# KiCad board input-output.Multi.kicad_pcb (continued)
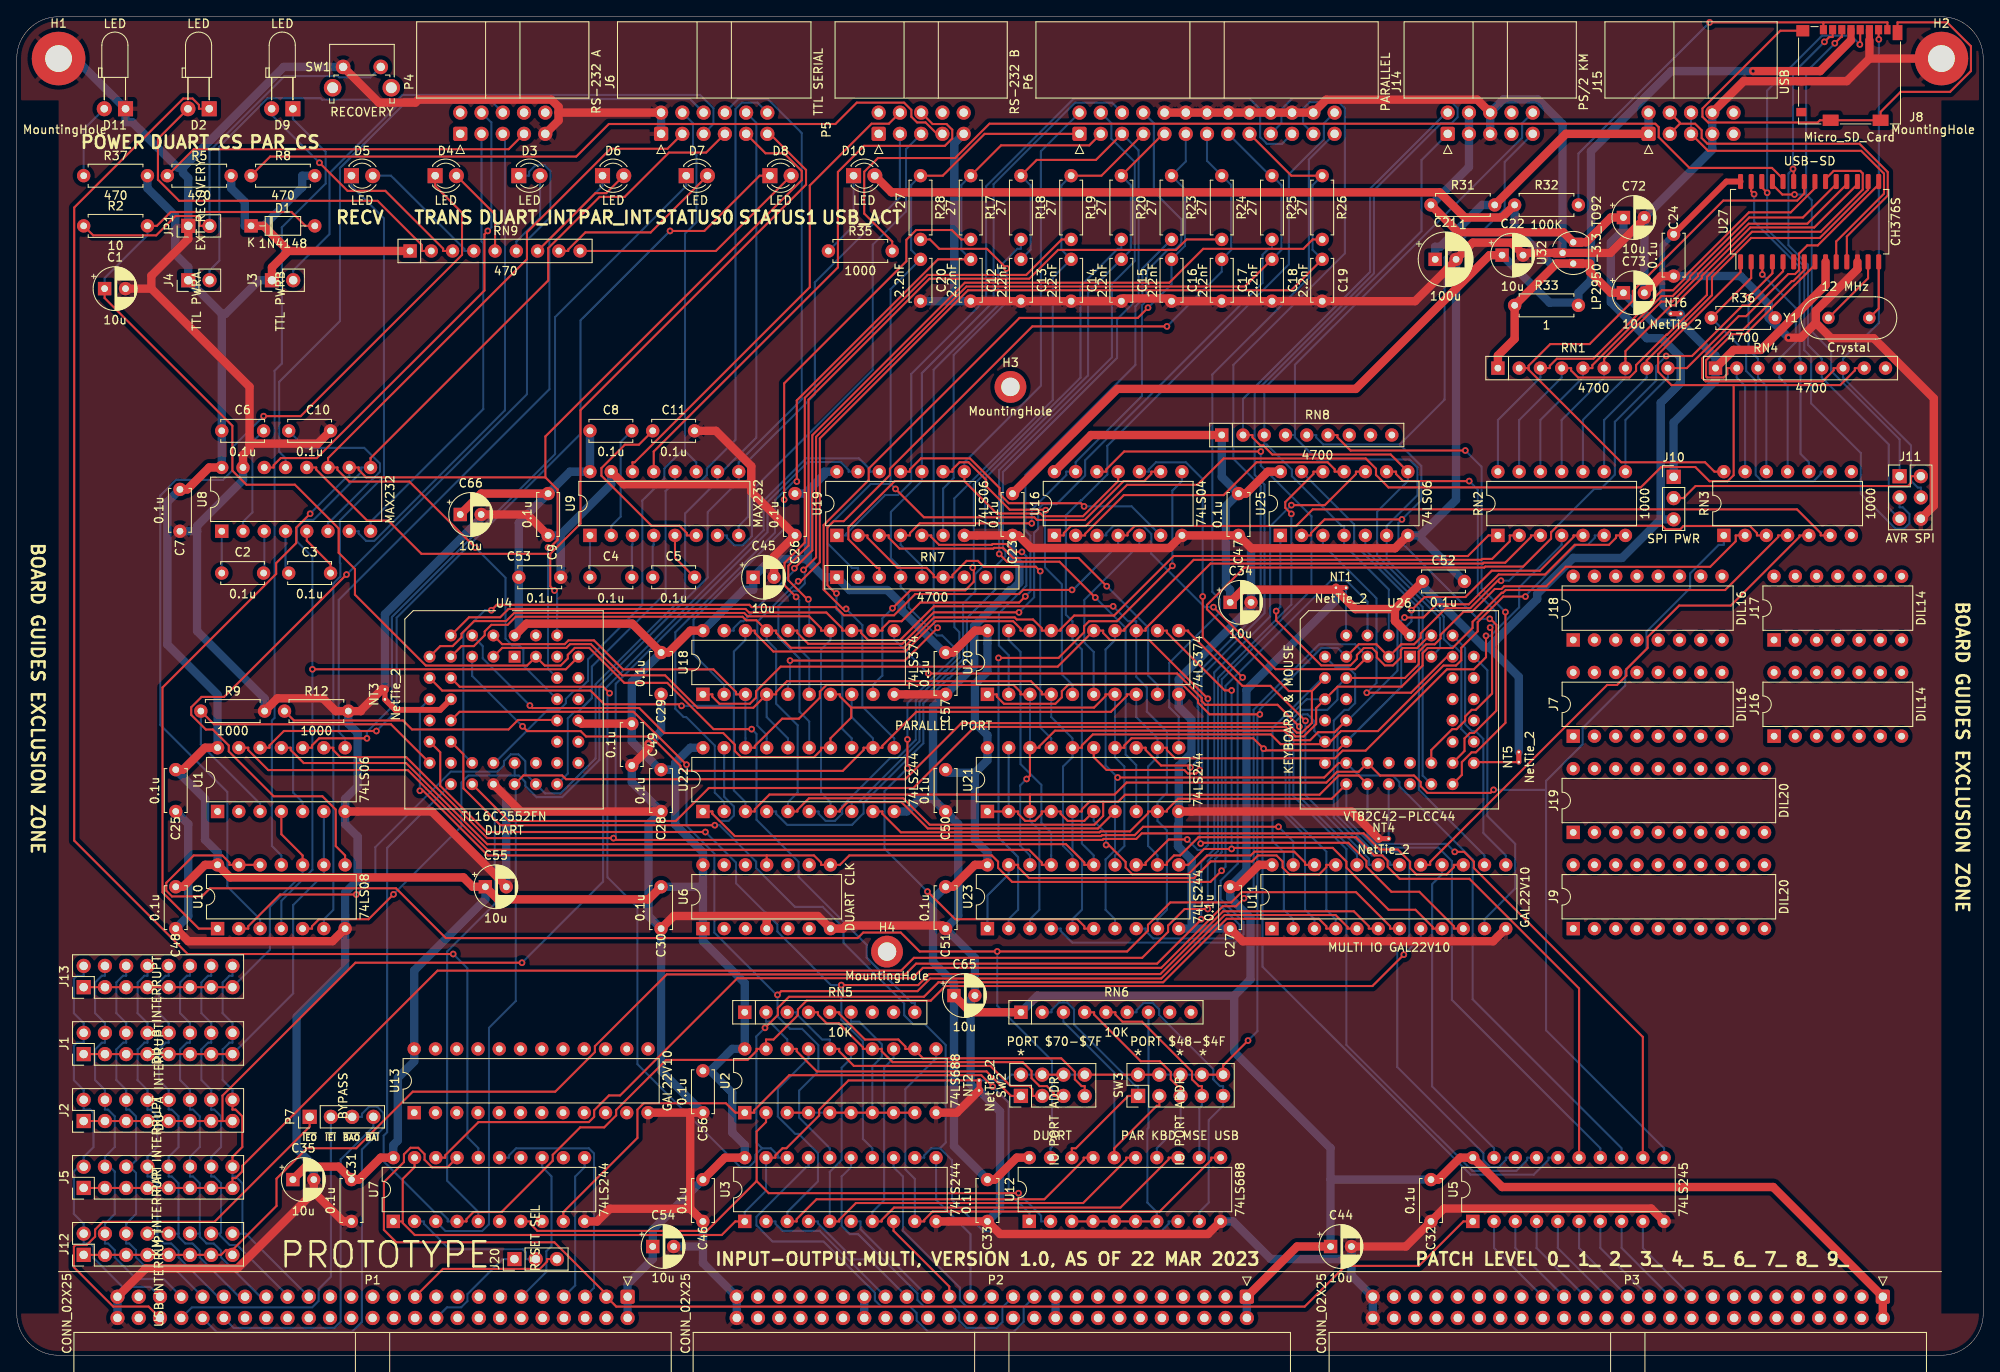
[diagram p0: board, top side]
## Nets (continued)
/DUART/~{RTSB}: P5.4 U9.14
/DUART/~{TTL_CTSA}: J6.11 U4.40 U8.12
/DUART/~{TTL_CTSB}: J6.12 U4.28 U9.12
/DUART/~{TTL_RIA}: C1.1 D1.2 R2.2 RN5.9 U4.43
/DUART/~{TTL_RTSA}: J6.3 U4.36 U8.11
/DUART/~{TTL_RTSB}: J6.4 U4.23 U9.11
/kbdmse/KBDCLK: J14.1 RN8.3 U25.4 U26.2
/kbdmse/KBDDAT: J14.9 RN8.5 U25.2 U26.30
/kbdmse/MSECLK: J14.2 RN8.2 U25.8 U26.43
/kbdmse/MSEDAT: J14.10 RN8.4 U25.6 U26.31
/kbdmse/P12: U26.32
/kbdmse/P13: U26.33
/kbdmse/P14: U26.35
/kbdmse/P15: U26.36
/kbdmse/P16: U26.37
/kbdmse/P17: U26.38
/kbdmse/P20: U26.24
/kbdmse/P21: U26.25
/kbdmse/PROG: RN8.6 U26.28
/kbdmse/~{INT_KM}: J5.1 J5.3 J5.5 J5.7 J5.9 J5.11 J5.13 J5.15 U25.12
/parallel/BUSY: RN7.6 U19.2 U21.17
/parallel/ERROR: P6.4 U21.8
/parallel/P-RESET: P6.6 RN7.4 U19.10 U23.6
/parallel/PAPEROUT: P6.23 U21.13
/parallel/PD0: C12.1 P6.3 R17.1 U22.2
/parallel/PD1: C13.1 P6.5 R18.1 U22.4
/parallel/PD2: C14.1 P6.7 R19.1 U22.6
/parallel/PD3: C15.1 P6.9 R20.1 U22.8
/parallel/PD4: C16.1 P6.11 R23.1 U22.11
/parallel/PD5: C17.1 P6.13 R24.1 U22.13
/parallel/PD6: C18.1 P6.15 R25.1 U22.15
/parallel/PD7: C19.1 P6.17 R26.1 U22.17
/parallel/SELECT: P6.25 U21.11
/parallel/STATUS0: P6.26 U1.11 U20.16 U23.15
/parallel/STATUS1: U1.13 U20.19 U23.17
/parallel/~{BUSY}: P6.21 U19.1
/parallel/~{INT_PAR}: J2.1 J2.3 J2.5 J2.7 J2.9 J2.11 J2.13 J2.15 U19.12
/parallel/~{LINEFEED}: P6.2 RN7.3 U16.11 U19.8
/parallel/~{PDENBL}: U18.1 U20.15 U23.13
/parallel/~{SEL}: P6.8 RN7.5 U16.13 U19.4
/parallel/~{STROBE}: C20.1 P6.1 R28.1 RN7.2 U16.9
/USB-SD/RST: R36.1 RN3.9 U27.2
/USB-SD/SDCK: J8.5 J11.3 U27.26
/USB-SD/SDCS: J8.2 J11.5 RN4.6 U27.23
/USB-SD/SDDI: J8.3 J11.1 U27.25
/USB-SD/SDDO: J8.7 J11.4 RN4.7 U27.7
/USB-SD/UD+: J15.5 J15.6 U27.10
/USB-SD/UD-: J15.3 J15.4 U27.11
/USB-SD/~{INT-USB}: RN4.8 U16.1 U27.1
A0: P2.35 U3.2
A1: P2.33 U3.4
A2: P2.31 U3.6
A3: P2.29 U3.8
A4: P2.27 U3.11
A5: P2.25 U3.13
A6: P2.23 U3.15
A7: P2.21 U3.17
ACK: P6.19 U11.10 U21.15
bA0: RN3.2 U3.18 U4.10 U11.4 U26.10
bA1: U3.16 U4.14 U11.5
bA2: U3.14 U4.15 U11.6
bA3: U3.12 U4.16 U12.8
bA4: U2.11 U3.9 U12.11
bA5: U2.13 U3.7 U12.13
bA6: U2.15 U3.5 U12.15
bA7: U2.17 U3.3 U12.17
bD0: RN2.7 U4.2 U5.18 U18.3 U20.3 U21.18 U22.18 U23.18 U26.14
bD1: RN2.6 U4.3 U5.17 U18.4 U20.4 U21.16 U22.16 U23.16 U26.15
bD2: RN2.5 U4.4 U5.16 U18.7 U20.7 U21.14 U22.14 U23.14 U26.16
bD3: RN2.4 U4.5 U5.15 U18.8 U20.8 U21.12 U22.12 U23.12 U26.17
bD4: RN2.3 U4.6 U5.14 U18.13 U20.13 U21.9 U22.9 U23.9 U26.18
bD5: RN2.2 U4.7 U5.13 U18.14 U20.14 U21.7 U22.7 U23.7 U26.19
bD6: RN2.1 U4.8 U5.12 U18.17 U20.17 U21.5 U22.5 U23.5 U26.20
bD7: RN3.1 U4.9 U5.11 U18.18 U20.18 U21.3 U22.3 U23.3 U26.21
bRESET: RN3.6 U4.21 U16.4
CLK_DUART: U4.11 U6.8 U6.11 U26.4
D0: P3.33 U5.2
D1: P3.31 U5.3
D2: P3.29 U5.4
D3: P3.27 U5.5
D4: P3.25 U5.6
D5: P3.23 U5.7
D6: P3.21 U5.8
D7: P3.19 U5.9
INT_KM: U11.14 U25.13
INT_PAR: U1.9 U11.15 U19.13
ONE: NT1.2 U26.6
P24-OB: U11.11 U26.39
P25-BF: U11.13 U26.40
PARINT: U11.9 U20.12 U23.11
ZERO: NT2.2 SW2.2 SW2.4 SW2.6 SW2.8 SW3.2 SW3.4 SW3.6 SW3.8 SW3.10 U3.1 U3.19 U7.1 U7.19 U20.1 U26.3 U26.8 U27.5
~{BAI}: P1.40 P7.4
~{BAO}: P1.42 P7.3
~{bIORQ}: U2.1 U7.9 U12.1
~{bM1}: U2.2 U7.7 U12.2
~{bRD}: RN3.3 U4.24 U7.3 U11.2 U26.9
~{bRESET}: U7.18 U16.3 U26.5
~{BUS_EN}: U5.19 U11.16
~{bWR}: RN3.4 U4.20 U7.5 U11.3 U26.11
~{CS_DUART}: U2.19 U4.18 U7.4 U11.8
~{CS_KM}: U11.18 U26.7
~{CS_PAR}: U10.12 U10.13 U11.7 U12.19
~{CS_US}: RN3.5 U11.17
~{EIRQ0}: J1.2 J2.2 J5.2 J12.2 J13.2 P1.45
~{EIRQ1}: J1.4 J2.4 J5.4 J12.4 J13.4 P1.43
~{EIRQ2}: J1.6 J2.6 J5.6 J12.6 J13.6 P1.41
~{EIRQ3}: J1.8 J2.8 J5.8 J12.8 J13.8 P1.39
~{EIRQ4}: J1.10 J2.10 J5.10 J12.10 J13.10 P1.37
~{EIRQ5}: J1.12 J2.12 J5.12 J12.12 J13.12 P1.35
~{EIRQ6}: J1.14 J2.14 J5.14 J12.14 J13.14 P1.33
~{EIRQ7}: J1.16 J2.16 J5.16 J12.16 J13.16 P1.31
~{IEI}: P1.44 P7.2
~{IEO}: P1.46 P7.1
~{IORQ}: P1.7 U7.11
~{M1}: P1.11 U7.13
~{PARIN0}: U11.23 U22.1 U22.19
~{PARIN1}: U11.22 U21.1 U21.2 U21.4 U21.6 U21.19
~{PARIN2}: U11.21 U23.1 U23.19
~{PAROUT0}: U11.20 U18.11
~{PAROUT2}: U11.19 U20.11
~{RD}: P1.3 U5.1 U7.17
~{RES_IN}: J20.1 P1.20
~{RES_OUT}: J20.3 P1.21
~{WR}: P1.5 U7.15
Net-(C2-Pad1): C2.1 U8.1
Net-(C2-Pad2): C2.2 U8.3
Net-(C3-Pad1): C3.1 U8.4
Net-(C3-Pad2): C3.2 U8.5
Net-(C4-Pad1): C4.1 U9.1
Net-(C4-Pad2): C4.2 U9.3
Net-(C5-Pad1): C5.1 U9.4
Net-(C5-Pad2): C5.2 U9.5
Net-(C6-Pad2): C6.2 U8.2
Net-(C8-Pad2): C8.2 U9.2
Net-(C10-Pad1): C10.1 U8.6
Net-(C11-Pad1): C11.1 U9.6
Net-(D2-Pad1): D2.1 U7.16
Net-(D3-Pad1): D3.1 U10.8
Net-(D4-Pad1): D4.1 U10.3
Net-(D5-Pad1): D5.1 U10.6
Net-(D6-Pad1): D6.1 U1.8
Net-(D7-Pad1): D7.1 U1.10
Net-(D8-Pad1): D8.1 U1.12
Net-(D9-Pad1): D9.1 U10.11
Net-(D10-Pad1): D10.1 R35.1
Net-(D11-Pad2): D11.2 R37.1
Net-(J3-Pad2): J3.2 J6.6
Net-(J4-Pad2): J4.2 J6.5
Net-(J8-Pad1): J8.1 J8.8 R32.2
Net-(J10-Pad2): J10.2 J11.2
Net-(J12-Pad1): J12.1 J12.3 J12.5 J12.7 J12.9 J12.11 J12.13 J12.15 U25.10
Net-(J20-Pad2): J20.2 U7.2
Net-(JP1-Pad2): JP1.2 R2.1 SW1.2
Net-(R17-Pad2): R17.2 U18.2
Net-(R18-Pad2): R18.2 U18.5
Net-(R19-Pad2): R19.2 U18.6
Net-(R20-Pad2): R20.2 U18.9
Net-(R23-Pad2): R23.2 U18.12
Net-(R24-Pad2): R24.2 U18.15
Net-(R25-Pad2): R25.2 U18.16
Net-(R26-Pad2): R26.2 U18.19
Net-(R28-Pad2): R28.2 U19.6
Net-(R35-Pad2): R35.2 U27.24
Net-(RN1-Pad2): RN1.2 RN3.14 U27.22
Net-(RN1-Pad3): RN1.3 RN2.14 U27.21
Net-(RN1-Pad4): RN1.4 RN2.13 U27.20
Net-(RN1-Pad5): RN1.5 RN2.12 U27.19
Net-(RN1-Pad6): RN1.6 RN2.11 U27.18
Net-(RN1-Pad7): RN1.7 RN2.10 U27.17
Net-(RN1-Pad8): RN1.8 RN2.9 U27.16
Net-(RN1-Pad9): RN1.9 RN2.8 U27.15
Net-(RN3-Pad10): RN3.10 RN4.5 U27.27
Net-(RN3-Pad11): RN3.11 RN4.4 U27.3
Net-(RN3-Pad12): RN3.12 RN4.3 U27.4
Net-(RN3-Pad13): RN3.13 RN4.2 U27.8
Net-(RN5-Pad2): RN5.2 SW2.1 U2.18
Net-(RN5-Pad3): RN5.3 SW2.3 U2.16
Net-(RN5-Pad4): RN5.4 SW2.5 U2.14
Net-(RN5-Pad5): RN5.5 SW2.7 U2.12
Net-(RN5-Pad6): RN5.6 U2.3 U2.4 U2.5 U2.6 U2.7 U2.8 U2.9
Net-(RN6-Pad2): RN6.2 SW3.1 U12.18
Net-(RN6-Pad3): RN6.3 SW3.3 U12.16
Net-(RN6-Pad4): RN6.4 SW3.5 U12.14
Net-(RN6-Pad5): RN6.5 SW3.7 U12.12
Net-(RN6-Pad6): RN6.6 SW3.9 U12.9
Net-(RN6-Pad7): RN6.7 U12.3 U12.4 U12.5 U12.6 U12.7
Net-(U16-Pad2): U16.2 U25.11
Net-(U16-Pad5): U16.5 U20.6
Net-(U16-Pad6): U16.6 U19.11
Net-(U16-Pad8): U16.8 U23.2
Net-(U16-Pad10): U16.10 U23.4
Net-(U16-Pad12): U16.12 U23.8
Net-(U19-Pad3): U19.3 U20.9
Net-(U19-Pad5): U19.5 U20.2
Net-(U19-Pad9): U19.9 U20.5
Net-(U25-Pad1): U25.1 U26.42
Net-(U25-Pad3): U25.3 U26.41
Net-(U25-Pad5): U25.5 U26.26
Net-(U25-Pad9): U25.9 U26.27
Net-(U27-Pad13): U27.13 Y1.1
Net-(U27-Pad14): U27.14 Y1.2

Pads without a net: H3 1; H4 1; J7 1 2 3 4 5 6 7 8 9 10 11 12 13 14 15 16; J8 10 11; J9 1 2 3 4 5 6 7 8 9 10 11 12 13 14 15 16 17 18 19 20; J14 7 8; J15 9 10; J16 1 2 3 4 5 6 7 8 9 10 11 12 13 14; J17 1 2 3 4 5 6 7 8 9 10 11 12 13 14; J18 1 2 3 4 5 6 7 8 9 10 11 12 13 14 15 16; J19 1 2 3 4 5 6 7 8 9 10 11 12 13 14 15 16 17 18 19 20; P4 1 2 8 10; P5 1 2 8 10; RN3 7 8; RN4 9; RN5 7 8; RN6 8 9; RN7 7 8 9; RN8 7 8 9; U1 1 2; U4 1 13 19 27 29 30 31 32 35 37 41 42; U6 2 3 5 6 9 10 12 13; U7 6 8 12 14; U11 1; U13 1 2 3 4 5 6 7 8 9 10 11 13 14 15 16 17 18 19 20 21 22 23; U26 1 12 13 23 34; U27 6

## Via types
v1: diameter 0.8, hole 0.4, Top to Bottom, 125 vias

## Routing (per net, layer and track width the routed paths; a pad name or vN(x,y) marks a point on that pad's centre or on a via; arc(x,y) is an arc through that point)
+12V: length 2.5
  Bottom w1: P2.20 P2.19
-12V: length 2.5
  Bottom w1: P2.38 P2.37
/DUART/GND_UART: length 8.9
  Top w0.7: U4.12 50.61,77.15 45.25,77.15 NT3.1
/USB-SD/VBUS: length 35.1
  Top w1: R31.2 185.12,146 J15.1
  Bottom w1: R31.2 175.12,137.5 170.12,132.5 169.5,132.5 C21.1 ; J15.2 J15.1
/USB-SD/VDD2: length 21.1
  Top w0.7: C24.1 204.3,140.3 U27.28
  Bottom w0.7: NT6.1 196.64,125.51 196.64,132.64 C24.1
/USB-SD/VDD3: length 138.6
  Top w0.85: 219.19,157.2 J8.4
  Top w1: C22.1 176,131.5 160.01,115.51 131.51,115.51 C23.1 ; 219.19,157.2 215.5,153.5 v1(207.49,153.5)
  Bottom w1: v1(207.49,153.5) 197.71,153.5 188.12,143.91 188.12,128.5 186.62,127 186.62,125.83 ; 186.62,125.83 183.17,125.83 C22.1 ; 186.62,125.83 R33.2
GND: length 1372.9
  Top w0.85: 221.39,157.2 J8.6
  Top w1: U19.7 C23.2 119.7,98 121.2,96.5 137.74,96.5 U16.7 C47.2 147.53,96.47 164.71,96.47 U25.7 ; J15.8 206.38,152.3 J8.9 218.69,152.3 221.39,155 ; 35.5,19.51 39.01,16 C31.2 ; 35.5,19.51 26.38,10.39 15.43,10.39 P1.49 ; 35.5,19.51 C35.2 ; v1(75.49,73.09) 75.49,72.49 C49.2 ; 16.09,127.5 27.82,115.77 27.82,108.97 ; 16.09,127.5 16.09,129.04 20.5,133.45 JP1.1 ; 16.09,127.5 C1.2 ; C51.2 110.63,51.37 99.12,51.37 98.74,51 U6.7 95.74,52.5 89.62,52.5 ; U5.10 195.32,17.54 170.54,17.54 C32.2 166,13 C44.2 ; U2.10 112.35,29 NT2.1 ; 80.48,29 80.48,17.52 ; 80.48,29 C56.2 ; 80.48,29 U13.12 ; 80.48,17.52 C46.2 ; 80.48,17.52 70.88,17.52 69.36,16 U7.10 ; 180,131.62 180.15,131.77 U32.2 190.43,131.77 194.5,135.84 C72.2 ; 180,131.62 178.62,133 174,133 C21.2 172,130.9 167.1,126 C19.2 C18.2 C17.2 C16.2 137.68,126.32 132.32,126.32 C15.2 C14.2 C13.2 C12.2 ; 180,131.62 C22.2 ; C10.2 35.97,108.97 27.82,108.97 ; v1(211.73,121.64) 213.22,121.64 215,123.41 ; U12.10 142.36,14.5 117.5,14.5 C33.2 U3.10 ; C48.2 20.5,49.5 37.74,49.5 U10.7 ; U6.4 89.62,52.5 ; 89.62,52.5 78.5,52.5 C30.2 ; C24.2 196.5,129 C73.2 ; U21.10 159.5,65 NT4.1 ; NT3.2 43.64,79.6 41.12,77.08 41.12,77 R12.2 38.12,77 36.59,78.53 31.15,78.53 R9.2 ; 87.78,104.11 87.78,106.27 83.55,110.5 C11.2 ; 87.78,104.11 87.78,103.22 C26.2 90.5,95.5 C45.2 ; 87.78,104.11 72.55,104.11 U9.15 ; 215,123.41 216.83,121.57 221.9,121.57 229.09,114.38 229.09,101.55 J11.6 ; 215,123.41 215,124.84 219.97,129.81 U27.12 ; U1.7 49.59,65 58.5,56.09 C55.2 ; 27.82,108.97 27.82,108.4 27.04,107.62 U8.15 ; U18.10 C57.2 ; 221.39,155 H2.1 ; 221.39,155 221.39,157.2 ; P4.9 64.75,147.59 64.75,148.54 ; SW1.1 43.26,149.74 47.65,149.74 48,150.09 63.88,150.09 64.75,149.22 64.75,148.54 ; 64.75,148.54 J6.2 ; C28.2 60.22,65 U4.22 ; C27.2 146.51,49.49 176.43,49.49 U11.12 ; J14.6 174.53,150.09 156.49,150.09 P6.24 P6.22 P6.20 P6.18 P6.16 P6.14 P6.12 P6.10 ; C66.2 61,100.5 C9.2
  Bottom w1: U4.22 58.5,66.72 C55.2 ; J14.5 J14.6 177.66,150.12 181.77,150.12 184.73,147.16 U32.2 ; 21.55,98.5 21.55,99.13 27.04,104.62 U8.15 ; 21.55,98.5 C7.2 ; 21.55,98.5 21.55,86.57 29.62,78.5 R9.2 ; SW1.1 31.9,154 19.86,141.97 ; 159.5,11.5 159.5,9.54 P3.49 P3.50 ; 159.5,11.5 C44.2 ; 159.5,11.5 149.86,11.5 145.36,16 U12.10 ; U25.7 167.74,98 ; 167.74,98 167.74,97.76 C52.2 ; 167.74,98 172,102.26 C21.2 ; C25.2 20.5,63.5 20.5,52.5 C48.2 ; C56.2 77,34 C30.2 75.5,52.5 75.5,63.5 C28.2 73.5,68.5 C49.2 ; C54.2 82,13 ; 82,13 C46.2 ; 82,13 82,11.04 P2.49 P2.50 ; C53.2 65,97.92 64.92,98 ; 19.86,141.97 19.86,141.34 20.5,140.7 JP1.1 ; 19.86,141.97 19.23,141.97 13.8,147.4 13,147.4 D11.1 7,155 H1.1 ; 140.4,51 U23.10 ; 140.4,51 140.4,59.2 138.77,60.83 138.77,63.41 138.86,63.5 U21.10 138.86,70.46 140.37,71.98 140.37,75.99 138.86,77.5 U20.10 138.86,80.81 147.5,89.45 C34.2 147.5,96.5 C47.2 ; 140.4,51 C27.2 ; 109.5,66.5 107.86,66.5 106.36,65 U22.10 ; 109.5,66.5 C50.2 112.51,63.49 112.51,52.51 C51.2 114.5,47.5 C65.2 113.99,42.49 113.99,32.39 114.73,31.65 NT2.1 117.5,29.15 117.5,17.5 C33.2 ; 109.5,66.5 109.5,77.5 C57.2 114.42,82.42 114.42,87.18 118.68,91.44 118.91,91.44 119.82,92.36 119.82,94.62 119,95.44 C23.2 ; C12.2 112.04,126 ; 112.04,126 C20.2 ; 112.04,126 112.04,144.88 P5.9 ; 64.92,98 C9.2 ; 64.92,98 71.04,104.12 U9.15 ; P1.50 P1.49 ; 209.37,124 v1(211.73,121.64) ; 209.37,124 209.37,125.63 206,129 C24.2 ; 209.37,124 R36.2 ; J6.2 J6.1 ; C73.2 C72.2 202.62,144.12 J15.7 J15.8 ; C66.2 55.5,100.07 44,88.57 NT3.2 ; v1(75.49,73.09) 77,74.6 C29.2 ; R12.2 39.62,75.5 40.74,74.38 40.74,68 39.24,66.5 U1.7 39.24,63.5 40.74,62 40.74,56.8 39.24,55.3 U10.7 39.24,46.24 33.45,40.45 33.45,24.71 35.5,22.66 C35.2
VCC: length 1026.6
  Top w1: C51.1 111.88,56 114.5,58.62 U23.20 ; U8.16 23,106.12 20.38,103.5 C7.1 ; 157.65,91.51 159.97,89.19 164.69,89.19 ; 157.65,91.51 146.51,91.51 C34.1 ; 157.65,91.51 NT1.1 ; U25.14 149.5,105.62 146.88,103 C47.1 ; 32.47,132.03 29.5,135 D1.1 ; 32.47,132.03 30.5,130.05 J3.1 ; 32.47,132.03 32.5,132 RN9.1 ; C66.1 55.5,103 C9.1 ; 164.69,89.19 164.69,87.78 166.43,86.04 U26.44 ; 164.69,89.19 C52.1 ; C72.1 190.5,136 187.54,133.04 U32.3 184.81,134.23 172.27,134.23 R31.1 ; C57.1 111.88,84 114.5,86.62 U20.20 ; U3.20 84.62,23.62 C46.1 ; U11.24 148.46,58.62 145.84,56 C27.1 ; U16.14 128.38,110 RN8.1 ; C25.1 19.88,70 22.5,72.62 U1.14 ; C35.1 34.55,22.55 38.45,22.55 C31.1 40.88,21 43.5,23.62 U7.20 ; C44.1 153,13 P2.1 ; U4.44 60.91,87.45 73.55,87.45 C29.1 77.88,84 80.5,86.62 U18.20 ; C49.1 67.5,75.5 U4.33 ; U12.20 119.5,23.62 116.88,21 C33.1 ; C30.1 75.5,54.5 57.5,54.5 C55.1 54.5,56 53.38,57.12 25.5,57.12 U10.14 22.5,58.62 19.88,56 C48.1 ; C32.1 169.88,21 172.5,23.62 U5.20 177.51,20.11 209.89,20.11 P3.1 P3.2 ; C65.1 114,41 RN6.1
  Bottom w1: NT5.2 179.5,81.09 175.95,84.63 ; U22.20 80.5,72.62 78.69,70.81 78.69,70 ; P1.2 P1.1 73,8.5 76,11.5 C54.1 76,15 C46.1 ; C7.1 18,102 18,84.96 24,78.96 U1.14 ; U3.20 87,25.12 85.5,26.62 85.5,31.38 82.88,34 ; 82.88,34 85.5,36.62 U2.20 RN5.1 87,44.5 82,49.5 U6.1 82,56 ; 82.88,34 C56.1 ; C50.1 111.38,69.62 114.5,69.62 ; 94.22,103 C26.1 ; 94.22,103 94.55,102.67 94.55,95.4 94.33,95.17 ; 94.22,103 96.5,105.28 96.5,105.62 U19.14 ; C34.1 145,91.5 144.5,92 144.5,101.5 C47.1 144,105 RN8.1 ; 196.45,99.92 196.45,113.84 198.84,116.23 198.84,119.29 196.56,121.57 194.8,121.57 190.5,125.87 190.5,133 192,134.5 C72.1 ; 196.45,99.92 J10.3 ; 196.45,99.92 191.84,95.31 186,95.31 181.69,91 181.69,90.38 175.95,84.63 ; 82,56 C30.1 ; 82,56 U6.14 82,60.12 78.69,63.43 78.69,70 ; U7.20 45,25.12 45.54,25.66 45.54,33.16 47.5,35.12 U13.24 47.5,46 56,54.5 C55.1 ; 157,21 C44.1 ; 157,21 157,24.75 145.49,36.26 145.49,42.99 ; 157,21 C32.1 ; J14.4 J14.3 173.54,142.04 R31.1 ; U8.16 C6.1 24.5,124.5 ; C51.1 109.5,54.5 109.5,47 112,44.5 C65.1 112,25 C33.1 ; 114.5,69.62 114.5,61.62 116,60.12 U23.20 ; 114.5,69.62 116,71.12 U21.20 116,74.12 114.5,75.62 114.5,80.23 116,81.74 U20.20 ; RN6.1 121.99,42.99 145.49,42.99 ; 94.33,95.17 96.5,93 RN7.1 99.53,91.47 104.04,91.47 105.75,89.75 105.75,89.06 110.81,84 C57.1 ; 94.33,95.17 90.17,95.17 C45.1 88,91.5 86.88,91.5 U18.20 ; 24.5,124.5 24.95,124.5 28.95,128.5 J3.1 ; 24.5,124.5 J4.1 20.5,130.05 18.95,131.6 18.95,136.17 15.62,139.5 R37.2 ; 145.49,42.99 147.43,44.93 147.43,52.27 145,54.7 C27.1 146.94,57.94 146.94,79.53 157.65,90.24 NT1.1 ; 78.69,70 C28.1 76.88,70 73.5,73.38 C49.1 73.5,80.5 C29.1 ; C8.1 U9.16 66.12,105.62 C9.1 60,99.5 C53.1 60,86.54 U4.44 ; C25.1 22.5,66.5 22.5,61.62 24,60.12 U10.14 ; C52.1 168,91.98 175.35,84.63 175.95,84.63 ; R8.2 34.12,141 34.12,139.62 29.5,135 D1.1 27.25,135 27.25,137.87 25.62,139.5 R5.2 ; P2.2 P2.1
VDD: length 5.4
  Top w0.25: U26.29 174.22,70.9 NT5.1
VDD1: length 167.9
  Top w1: RN1.1 177,119.5 179,121.5 R33.1 184,130.5 U32.1 188,130.5 188,129.5 190.5,127 C73.1 ; D10.2 104.53,139.01 170.03,139.01 173.04,136 177.5,136 R32.1 ; RN4.1 205.17,120.17 208.41,120.17 216.16,127.91 U27.9
  Bottom w1: 198.85,123.44 195.56,123.44 C73.1 ; 198.85,123.44 NT6.2 ; 198.85,123.44 202.79,119.5 203,119.5 RN4.1 203,116.5 198,111.5 J10.1 ; R32.1 179,134.79 183.29,130.5 U32.1
VSS: length 6.5
  Bottom w0.25: NT4.2 163.95,68.25 U26.22
470A: length 46.6
  Top w0.25: RN9.2 48.41,132 48.41,132.7 43.12,137.99 19.41,137.99 16.87,140.53 16.87,145.41 D2.2
470B: length 29.3
  Top w0.25: RN9.3 50.95,132 50.95,132.28 44.05,139.19 39.53,139.19 v1(36.17,142.55)
  Bottom w0.25: v1(36.17,142.55) 30.46,148.26 D9.2
470C: length 15.9
  Bottom w0.25: D5.2 44.72,141 53.49,132.23 53.49,132 RN9.4
470D: length 10.9
  Top w0.25: D4.2 57.16,136.38 RN9.5
470E: length 10.2
  Bottom w0.25: RN9.6 59.7,133.13 62.54,135.97 D3.2
470F: length 14
  Top w0.25: D6.2 70.45,138.91 69.15,138.91 RN9.7
470G: length 21.6
  Top w0.25: RN9.8 65.91,132 65.91,132.18 67.95,134.22 75.76,134.22 D7.2
470H: length 28.9
  Top w0.25: D8.2 83.54,132 RN9.9
/DUART/INTA: length 46.9
  Top w0.25: U4.34 64.52,75.94 59.9,75.94 58.77,74.81 47.23,74.81 46.17,75.87 33.13,75.87 R12.1
  Bottom w0.25: R12.1 33.03,75.97 33.03,67.25 34.16,66.13 U1.5
/DUART/INTB: length 45
  Top w0.25: U4.17 44.72,75.42 23.58,75.42 R9.1
  Bottom w0.25: U1.3 29.08,66.13 28.88,66.13 22,73 R9.1
/DUART/RXA: length 53.2
  Bottom w0.25: U8.8 42.28,99.63 55.75,113.09 55.75,132.94 55.54,133.15 P4.3
/DUART/RXB: length 56
  Bottom w0.25: U9.8 86.28,99.13 87.41,100.25 87.41,106.91 95.37,114.88 95.37,128.25 105.54,138.42 P5.3
/DUART/TTL_RXA: length 156.5
  Top w0.25: v1(35.34,82) 65.62,82 U4.39 ; U8.9 42.28,107.25 63.51,128.48 63.51,132.33 69.64,138.46 72.64,138.46 77.94,143.77 82.39,143.77 J6.7
  Bottom w0.25: U10.4 31.62,54.32 35.34,58.03 v1(35.34,82) 35.34,95.43 33.5,97.27 33.5,98.94 34.42,99.86 35.46,99.86 41.15,105.56 41.15,106.12 U8.9
/DUART/TTL_RXB: length 147.5
  Top w0.25: v1(45.02,55.09) 42.05,52.13 36.13,52.13 35.29,51.28 35.29,51 U10.5
  Bottom w0.25: 59.5,69.31 U4.25 ; 59.5,69.31 53.98,69.31 53.14,68.47 53.14,63.21 v1(45.02,55.09) ; 59.5,69.31 59.99,69.31 60.77,68.53 60.77,68.06 62.12,66.71 65.18,66.71 69.62,71.16 69.62,80.01 82.58,92.97 82.58,100.79 86.28,104.49 U9.9 86.28,106.75 93.81,114.28 93.81,146.09 89.72,150.18 86.26,150.18 J6.8
/DUART/TTL_TXA: length 176.1
  Top w0.25: 63.18,104.94 63.18,109.84 93.8,140.46 93.8,141.56 91.69,143.68 89.48,143.68 J6.9 ; 63.18,104.94 64.63,103.49 64.63,97.46 63.73,96.56 v1(63.49,96.56) ; 63.18,104.94 41.76,104.94 40.87,105.84 40.87,106.12 U8.10 ; v1(35.06,100.59) 33.39,98.92 33.39,97.08 31,94.69 31,93.4 17.42,79.82 17.42,55.34 21.76,51 U10.1
  Bottom w0.25: v1(35.06,100.59) 39.46,104.99 39.74,104.99 U8.10 ; U4.38 63.49,82.05 v1(63.49,96.56)
/DUART/TTL_TXB: length 144.4
  Top w0.25: U10.2 27.67,51 27.67,51.28 31.46,55.08 v1(40.58,55.08)
  Bottom w0.25: J6.10 88.37,147.33 88.37,109.69 83.74,105.06 ; U9.10 83.74,105.06 ; 83.74,105.06 83.74,104.49 79.87,100.63 79.87,90.9 69.17,80.2 69.17,71.34 65,67.17 63.13,67.17 U4.26 60.77,69.53 60.77,71.02 59.95,71.84 59.04,71.84 58.23,71.02 58.23,70.55 57.44,69.76 51.88,69.76 42.85,60.74 42.85,57.35 v1(40.58,55.08)
/DUART/TXA: length 58.9
  Bottom w0.25: P4.5 58.34,145.74 58.34,112.96 42.72,97.34 41.74,97.34 40.87,98.22 40.87,98.5 U8.7
/DUART/TXB: length 61.7
  Bottom w0.25: P5.5 106.27,144.19 106.27,136.72 102.29,132.74 102.29,117.79 87.86,103.35 87.86,97.92 86.76,96.83 85.76,96.83 84.87,97.72 84.87,98 U9.7
/DUART/~{CTSA}: length 62.3
  Bottom w0.25: P4.6 56.9,149.72 46.43,149.72 38.62,141.91 38.62,123.62 31.37,116.36 31.37,108 32.12,107.25 U8.13
/DUART/~{CTSB}: length 65.9
  Top w0.25: P5.6 109.44,147.18 111.11,147.18 111.8,146.49 111.8,145.45 110.91,144.56 101.25,144.56 98.13,141.45 98.13,130.03 76.12,108.02 U9.13
/DUART/~{DTRA}: length 44.7
  Top w0.25: P4.7 58.78,144.16 21.16,144.16 R5.1
/DUART/~{DTRB}: length 88.3
  Top w0.25: R8.1 30.29,143.29 66.86,143.29 70.75,147.18 97.83,147.18 100.39,149.73 106.04,149.73 106.9,148.86 106.9,148.05 107.59,147.36 108.6,147.36 109.97,146 P5.7
/DUART/~{INTA}: length 51.3
  Top w0.25: J1.15 J1.13 J1.11 J1.9 J1.7 J1.5 J1.3 J1.1
  Bottom w0.25: U1.6 U10.9 36.7,57.49 33.03,53.83 33.03,43.25 J1.15
/DUART/~{INTB}: length 43.3
  Top w0.25: J13.15 J13.13 J13.11 J13.9 J13.7 J13.5 J13.3 J13.1 ; U10.10 34.16,59.75 31.62,62.29 U1.4
  Bottom w0.25: J13.15 30.25,48.47 30.25,53.59 34.16,57.49 U10.10
/DUART/~{RTSA}: length 57.3
  Top w0.25: v1(56.29,134.4) 55.89,134 55.89,127.28 35.86,107.25 31.55,107.25 30.71,106.4 30.71,106.12 U8.14
  Bottom w0.25: P4.4 56.72,147.36 56.72,134.83 v1(56.29,134.4)
/DUART/~{RTSB}: length 57.5
  Top w0.25: P5.4 104.21,147.21 102.15,147.21 94.77,139.83 94.77,127.68 73.84,106.75 73.58,106.75 U9.14
/DUART/~{TTL_CTSA}: length 108.6
  Top w0.25: J6.11 90.01,146 94.32,141.69 94.32,139.93 67.37,112.97 67.37,99.41 63.76,95.8 ; U8.12 35.79,106.12 35.79,105.87 41.88,99.77 44.39,99.77 48.37,95.8 63.76,95.8 ; 63.76,95.8 63.76,91.92 v1(64.26,91.41)
  Bottom w0.25: U4.40 64.58,91.09 v1(64.26,91.41)
/DUART/~{TTL_CTSB}: length 97.4
  Bottom w0.25: J6.12 88.51,149.73 86.65,149.73 85.89,148.97 85.89,109.42 82.47,106 82.47,105.22 81.68,104.44 78.66,104.44 ; U4.28 65.85,69.53 65.85,76.14 66.63,76.92 67.09,76.92 68.72,78.54 68.72,82.31 77.53,91.13 77.53,103.31 78.66,104.44 ; 78.66,104.44 U9.12
/DUART/~{TTL_RIA}: length 182.4
  Top w0.25: v1(87.82,74.85) 83.27,74.85 77.74,80.37 72.6,80.37 68.42,84.55 66.68,84.55 65.85,83.72 65.85,83.29 65,82.45 63.09,82.45 U4.43 60.99,82.45 48.88,82.45 40.41,90.91 40.41,93.98 38.47,95.92 38.47,98.83 33.24,104.06 27.45,104.06 25.77,105.74 25.77,111.1 10.5,126.37 C1.1 ; D1.2 34.49,135 32.83,136.66 18.41,136.66 16.75,135 R2.2
  Bottom w0.25: RN5.9 107.32,42.13 106.97,42.13 101.57,47.52 101.57,49.06 93.43,57.2 93.43,58.99 88.4,64.01 88.4,74.26 v1(87.82,74.85) ; R2.2 15.62,133.87 10.5,128.75 C1.1
/DUART/~{TTL_RTSA}: length 105.8
  Top w0.25: J6.3 77.76,144.22 70.96,144.22 60.97,134.23 60.97,131.02 37.2,107.25 U8.11 38.33,106.12 38.33,105.84 39.73,104.44 46.91,104.44 v1(54.8,96.55)
  Bottom w0.25: v1(54.8,96.55) 58.41,92.94 58.41,85.64 59.2,84.84 60.06,84.84 60.54,84.37 60.54,82.46 U4.36
/DUART/~{TTL_RTSB}: length 92.9
  Bottom w0.25: 79.86,107.97 79.98,107.97 81.2,106.75 U9.11 ; 79.86,107.97 79.86,134.08 81.23,135.44 81.23,143.47 80.81,143.88 80.81,147.27 J6.4 ; 79.86,107.97 79.36,107.97 77.39,106 77.39,104.8 74.75,102.16 74.75,89.66 68.27,83.19 68.27,80.63 67.1,79.46 66.63,79.46 65.62,78.44 65.62,77.94 64.83,77.15 63.45,77.15 57.1,70.8 U4.23
/kbdmse/KBDCLK: length 75.5
  Bottom w0.25: U26.2 163.96,91.53 158.62,96.87 U25.4 158.62,99.13 158.34,99.13 152.38,105.09 152.38,105.86 149.36,108.87 149.08,108.87 RN8.3 149.08,115.58 167.87,134.37 167.87,142.87 J14.1
/kbdmse/KBDDAT: length 117.7
  Top w0.25: v1(176.02,88.03) 176.1,88.03 176.81,87.32 176.81,77.05 174.15,74.39 173.66,74.39 173.01,73.74 173.01,72.23 U26.30 ; U25.2 154.67,98 154.67,98.28 156.29,99.91 v1(165.53,99.91)
  Bottom w0.25: RN8.5 155.29,110 155.29,109.72 156.13,108.87 165.27,108.87 ; J14.9 177.81,142.65 177.81,137.03 175.18,134.39 173.79,134.39 170.63,131.23 170.63,114.23 165.27,108.87 ; 165.27,108.87 167.84,106.3 167.84,102.22 v1(165.53,99.91) 165.11,99.49 165.11,97.52 174.6,88.03 v1(176.02,88.03)
/kbdmse/MSECLK: length 97.6
  Top w0.25: U25.8 164.19,107.67 150.05,107.67 148.96,108.76 148.63,108.76 147.67,109.72 147.67,110 RN8.2
  Bottom w0.25: U26.43 170.08,84.54 170.08,88.1 162.56,95.62 162.56,100.82 166.24,104.49 U25.8 ; J14.2 170.84,148.54 161.73,139.43 161.73,129.5 146.54,114.31 RN8.2
/kbdmse/MSEDAT: length 106.7
  Bottom w0.25: RN8.4 152.75,110 ; 152.75,110 152.75,118.39 179.89,145.54 179.89,147.27 J14.10 ; 152.75,110 152.75,109.72 155.39,107.07 166.43,107.07 167.38,106.13 167.38,102.81 163.7,99.13 U25.6 163.7,95.11 170.53,88.28 170.53,85.61 171.37,84.77 171.79,84.77 172.62,83.94 172.62,74.84 U26.31
/kbdmse/PROG: length 62.1
  Top w0.25: v1(173.11,108.15) 159.39,108.15 157.83,109.72 157.83,110 RN8.6 ; U26.28 172.69,69.37 172.69,70.91 173.86,72.07 174.37,72.07 177.9,75.6 v1(177.9,88.84)
  Bottom w0.25: v1(177.9,88.84) 175.05,91.69 175.05,106.21 v1(173.11,108.15)
/kbdmse/~{INT_KM}: length 208.9
  Top w0.25: J5.1 J5.3 J5.5 J5.7 J5.9 J5.11 J5.13 J5.15 25.78,21.18 26.15,21.18 26.96,21.98 26.96,22.64 50.29,45.98 105.68,45.98 107.21,47.51 134.49,47.51 137.59,50.61 137.59,51.37 139.56,53.34 v1(142.33,53.34) ; v1(152.31,100.58) 151.59,101.3 151.59,101.98 154.95,105.35 154.95,105.62 U25.12
  Bottom w0.25: v1(152.31,100.58) 152.31,89.74 143.55,80.98 143.55,60.3 142.33,59.08 v1(142.33,53.34)
/parallel/BUSY: length 47.3
  Top w0.25: v1(122.31,93.72) 121.77,94.26 115.56,94.26 114.86,94.95 113.5,94.95 111.83,93.28 111.83,93 RN7.6 109.57,93 109.57,93.28 108.73,94.13 105.26,94.13 101.67,97.72 101.67,98 U19.2
  Bottom w0.25: U21.17 123.62,73.75 122.31,75.06 v1(122.31,93.72)
/parallel/ERROR: length 102.4
  Top w0.25: v1(117.41,95.79) 118.35,94.85 124.61,94.85 v1(128.89,90.57)
  Bottom w0.25: v1(128.89,90.57) 132.51,86.95 132.51,71.8 133.78,70.53 U21.8 ; v1(117.41,95.79) 117.39,95.8 117.39,105.81 130.87,119.29 130.87,128.08 133.61,130.81 133.61,142.63 130.81,145.43 130.81,147.27 P6.4
/parallel/P-RESET: length 140.7
  Top w0.25: v1(108.83,55.43) 112.14,52.13 126.73,52.13 127.57,51.28 127.57,51 U23.6 ; v1(106.44,70.17) v1(106.44,73.61)
  Bottom w0.25: v1(108.83,55.43) 103.7,60.56 103.7,67.44 v1(106.44,70.17) ; P6.6 130.9,149.72 126.46,149.72 116.73,139.99 116.73,125.97 108.16,117.4 U19.10 108.16,104.49 104.46,100.79 104.46,95.29 105.62,94.13 RN7.4 105.62,91.87 106.58,90.92 106.58,89.4 109.94,86.04 110.59,86.04 112.19,84.44 112.19,83.58 110.89,82.29 110.77,82.29 106.44,77.95 v1(106.44,73.61)
/parallel/PAPEROUT: length 105.9
  Top w0.25: v1(140.25,70.27) 140.02,70.5 136.74,70.5 134.91,72.34 134.91,72.62 U21.13
  Bottom w0.25: P6.23 153.72,147.22 153.72,149 154.5,149.79 157.97,149.79 158.71,149.05 158.71,131.71 145.38,118.39 145.38,107.16 148.65,103.89 148.65,89.09 141.11,81.55 141.11,77.49 141.2,77.4 141.2,71.22 v1(140.25,70.27)
/parallel/PD0: length 114.3
  Top w0.25: v1(93.22,104.45) 93.22,114.13 110.09,131 C12.1 ; P6.3 128.16,144.62 117.62,144.62 R17.1
  Bottom w0.25: U22.2 84.54,66.13 83.41,67.25 83.41,72.87 80,76.29 79.69,76.29 78.69,77.28 78.69,86.42 90.61,98.34 90.61,102.2 92.85,104.45 v1(93.22,104.45) ; C12.1 112.87,132.13 112.87,139.87 R17.1
/parallel/PD1: length 134
  Top w0.25: R18.1 121.89,142.89 128.97,142.89 P6.5
  Bottom w0.25: C13.1 121.16,132.16 121.16,139.84 R18.1 ; U22.4 90.75,65 90.75,64.72 92.05,63.41 99.83,63.41 101.19,64.77 101.19,66 108.34,73.15 108.34,77.93 111.31,80.91 111.43,80.91 113.54,83.01 113.54,88.12 116.93,91.51 116.93,94.28 118.14,95.49 118.14,96.09 117.85,96.38 117.85,105.57 131.49,119.22 131.49,123.82 134.06,126.39 134.06,144.02 P6.5
/parallel/PD2: length 105.2
  Top w0.25: P6.7 129.62,141 R19.1
  Bottom w0.25: U22.6 95.83,65 95.83,64.72 96.67,63.87 97.77,63.87 98.65,64.75 98.65,65.66 104.37,71.38 105.24,71.38 107.44,73.57 107.44,78.31 110.96,81.83 111.08,81.83 112.64,83.39 112.64,86.44 112.05,87.03 112.05,102.43 123.81,114.19 123.81,128.81 C14.1 124.84,132.16 124.84,139.84 R19.1
/parallel/PD3: length 98.1
  Top w0.25: R20.1 137,146 P6.9
  Bottom w0.25: R20.1 133.13,139.87 133.13,132.13 C15.1 128.03,127.03 128.03,117.13 115.75,104.86 115.75,94.61 114.54,93.4 114.54,91.31 113.09,89.85 113.09,83.2 111.25,81.36 111.13,81.36 107.89,78.12 107.89,73.39 100.62,66.13 99.78,66.13 U22.8
/parallel/PD4: length 104.6
  Top w0.25: v1(99.11,89.22) 98.73,89.22 96.42,91.53 96.42,99.23 101.81,104.62 101.81,105.98 119.83,123.99 133.96,123.99 v1(135.19,125.22)
  Bottom w0.25: v1(99.11,89.22) 101.05,87.28 101.05,77.56 104.86,73.75 U22.11 ; v1(135.19,125.22) 138,128.03 C16.1 139.61,132.61 139.61,139.39 R23.1 139.7,142.7 P6.11
/parallel/PD5: length 106
  Top w0.25: v1(137.45,122.98) 121.36,122.98 104.35,105.97 104.35,105.23 98.83,99.7 97.63,99.7 96.87,98.94 96.87,92.05 97.85,91.07 v1(97.96,91.07)
  Bottom w0.25: P6.13 142.24,142.76 R24.1 145.13,139.87 145.13,132.13 C17.1 144,129.53 v1(137.45,122.98) ; U22.13 99.78,73.75 98.65,74.87 98.65,88.47 97.96,89.16 v1(97.96,91.07)
/parallel/PD6: length 122.5
  Top w0.25: v1(94.02,93.88) 95.52,95.38 95.52,109.79 113.49,127.75 146.75,127.75 C18.1
  Bottom w0.25: U22.15 94.7,75.76 93.54,76.92 93.54,83.29 91.01,85.82 91.01,89.55 92.83,91.37 93.3,91.37 94.17,92.25 94.17,93.73 v1(94.02,93.88) ; C18.1 151.13,132.13 151.13,139.87 R25.1 149.78,141 P6.15
/parallel/PD7: length 131.3
  Top w0.25: R26.1 152.32,141 P6.17 ; C19.1 152.3,127.3 113.68,127.3 95.97,109.6 95.97,94.8 93.69,92.52 v1(93.38,92.52)
  Bottom w0.25: v1(93.38,92.52) 93.34,92.52 88.49,87.67 88.49,75.27 89.62,74.15 U22.17 ; R26.1 154.85,139.85 154.85,132.15 C19.1
/parallel/SELECT: length 82.8
  Bottom w0.25: P6.25 154.4,142.92 154.4,128.76 142.87,117.23 142.87,91.25 143.75,90.37 143.75,88.78 137.72,82.75 137.72,77.47 138.86,76.33 U21.11
/parallel/STATUS0: length 207.9
  Top w0.25: U1.11 32.75,72.62 32.75,72.34 34.29,70.79 46.53,70.79 56.22,61.09 125.38,61.09 127.57,58.9 127.57,58.62 U23.15
  Bottom w0.25: U23.15 128.7,59.75 127.29,61.16 127.29,84.37 126.16,85.49 U20.16 126.16,87.75 125.37,88.53 125.37,100.4 127.17,102.2 127.25,102.2 130.32,105.27 130.32,108.71 152.02,130.4 152.02,141.18 156.21,145.37 156.21,147.27 P6.26
/parallel/STATUS1: length 133.3
  Top w0.25: U1.13 27.67,72.62 27.67,72.34 30.06,69.95 46.73,69.95 48.9,67.78 56.26,60.42 120.98,60.42 122.49,58.9 122.49,58.62 U23.17
  Bottom w0.25: U23.17 123.62,62.46 122.44,63.64 122.44,68.18 119.95,70.67 119.95,84.08 118.54,85.49 U20.19
/parallel/~{BUSY}: length 96.3
  Bottom w0.25: U19.1 99.13,98 99.13,98.19 103.77,102.83 105.32,102.83 106.89,104.4 106.89,117.3 115.84,126.24 115.84,139.73 126.31,150.21 147.33,150.21 148.59,148.94 148.59,145.61 149.4,144.8 151.2,144.8 P6.21
/parallel/~{INT_PAR}: length 147.1
  Top w0.25: J2.1 J2.3 J2.5 J2.7 J2.9 J2.11 J2.13 24.59,28 ; J2.15 24.59,28 ; 24.59,28 24.59,31.04 40.47,46.92 v1(60.38,46.92)
  Bottom w0.25: v1(60.38,46.92) 70.07,56.62 70.07,79.44 89.26,98.63 89.26,102.15 94.33,107.22 100.64,107.22 101.95,105.9 101.95,105.62 U19.12
/parallel/~{LINEFEED}: length 96.5
  Top w0.25: 113.24,104.49 117.12,100.62 122.34,100.62 122.66,100.3 127.42,100.3 131.62,104.49 U16.11 ; 113.24,104.49 104.93,104.49 99.38,98.95 99.38,97.54 102.8,94.13 103.08,94.13 RN7.3 ; 113.24,104.49 U19.8
  Bottom w0.25: P6.2 122.39,143.93 122.39,115.89 113.24,106.75 U19.8
/parallel/~{PDENBL}: length 96.8
  Top w0.25: v1(142.34,78.48) 135.33,85.49 130.67,85.49 129.83,86.34 129.83,86.62 U20.15 124.39,82.31 91.29,82.31 88.35,79.38 88.35,78.62 87.61,77.87 83.97,77.87 83.13,78.72 83.13,79 U18.1 ; v1(139.88,61.65) 137.66,61.65 134.91,58.9 134.91,58.62 U23.13
  Bottom w0.25: v1(142.34,78.48) 142.34,60.99 141.75,60.4 141.13,60.4 v1(139.88,61.65)
/parallel/~{SEL}: length 82
  Top w0.25: U19.4 106.75,98 106.75,98.28 107.91,99.44 v1(121.3,99.44)
  Bottom w0.25: RN7.5 108.16,94.33 105.62,96.87 U19.4 ; v1(121.3,99.44) 121.3,101.08 125.41,105.2 125.41,105.62 U16.13 126.54,106.75 134.46,114.67 134.46,125.52 135.03,126.08 135.03,129.62 137.6,132.19 138.45,132.19 139.16,132.9 139.16,135.8 135.89,139.07 135.89,147.27 P6.8
